# Altium PCB Delay.PcbDoc (part 1 of 2)
Units mm, origin at the board's own origin, x right, y up, seen from the top; angles counter-clockwise.
Board outline 111 x 71.6 mm, 4 copper layers (Top Layer, Mid Layer 1, Mid Layer 2, Bottom Layer), stack 1.57 mm thick; 118 components, 112 nets, 439 pads, 441 vias.
Unrouted connection lines stored in the file: 4.
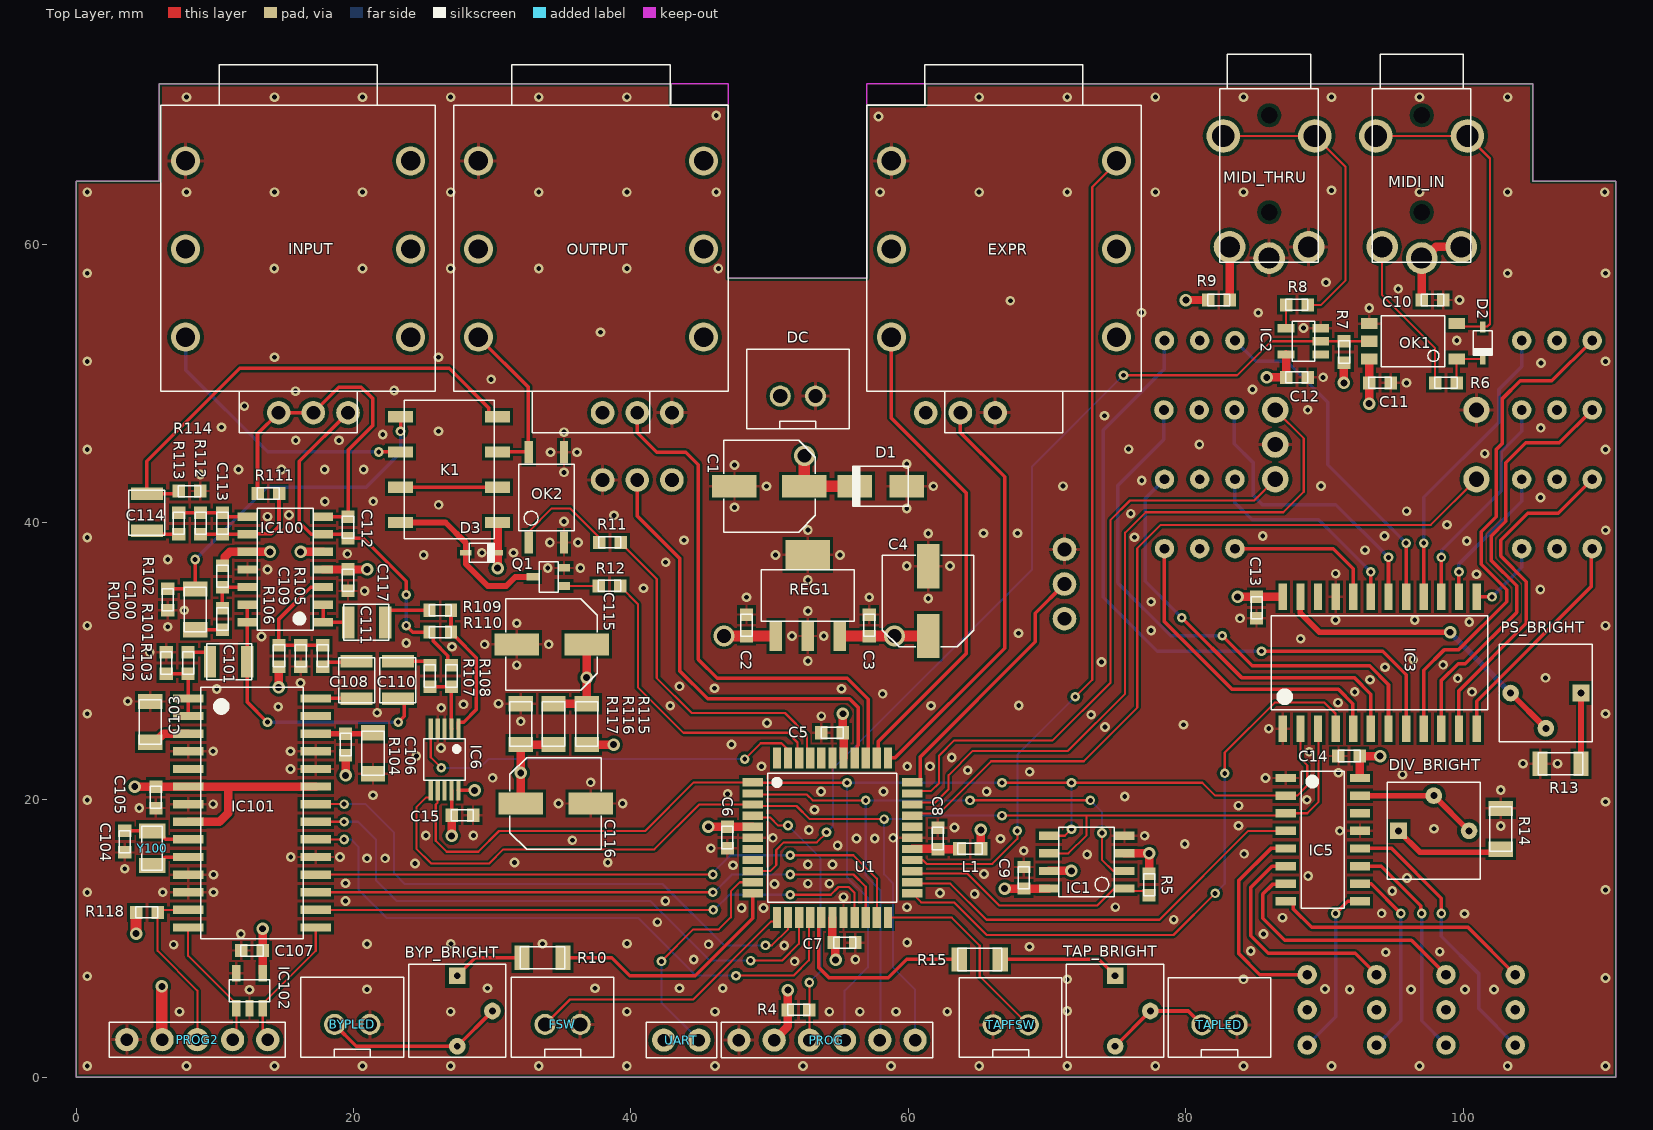
[diagram p0: Top Layer view]
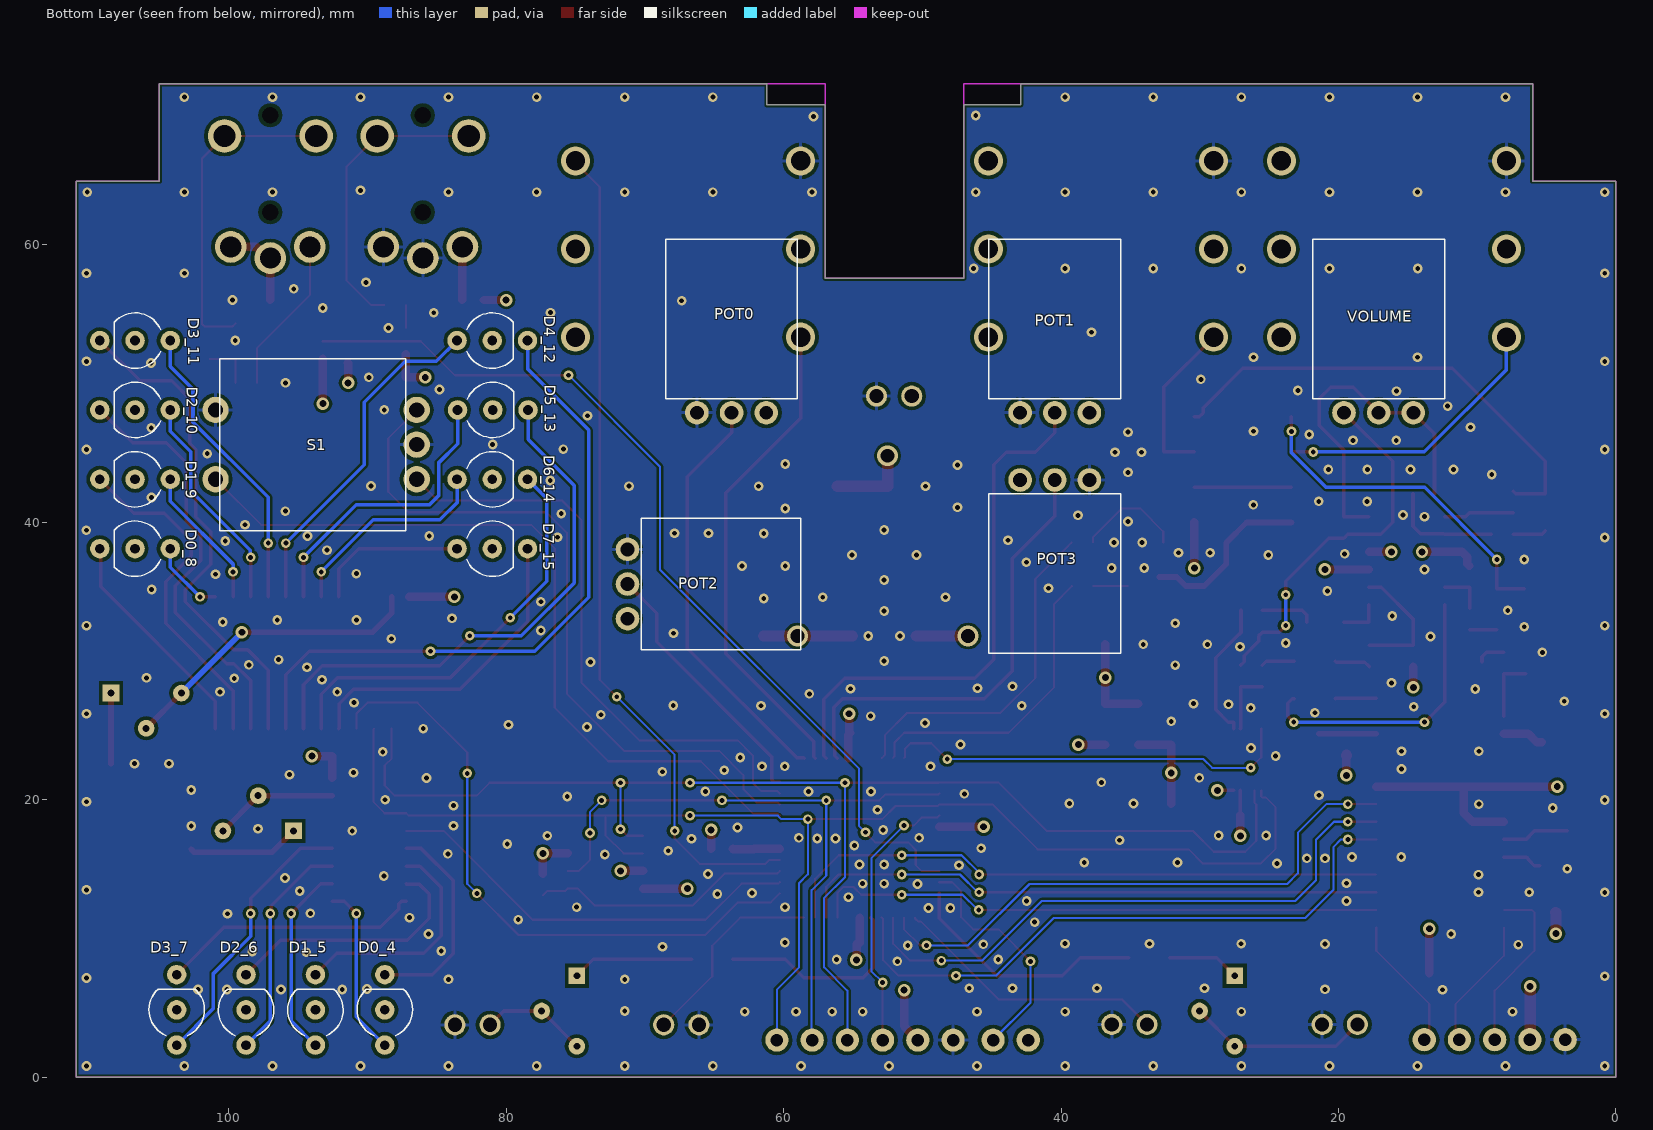
[diagram p1: Bottom Layer view, seen from below]
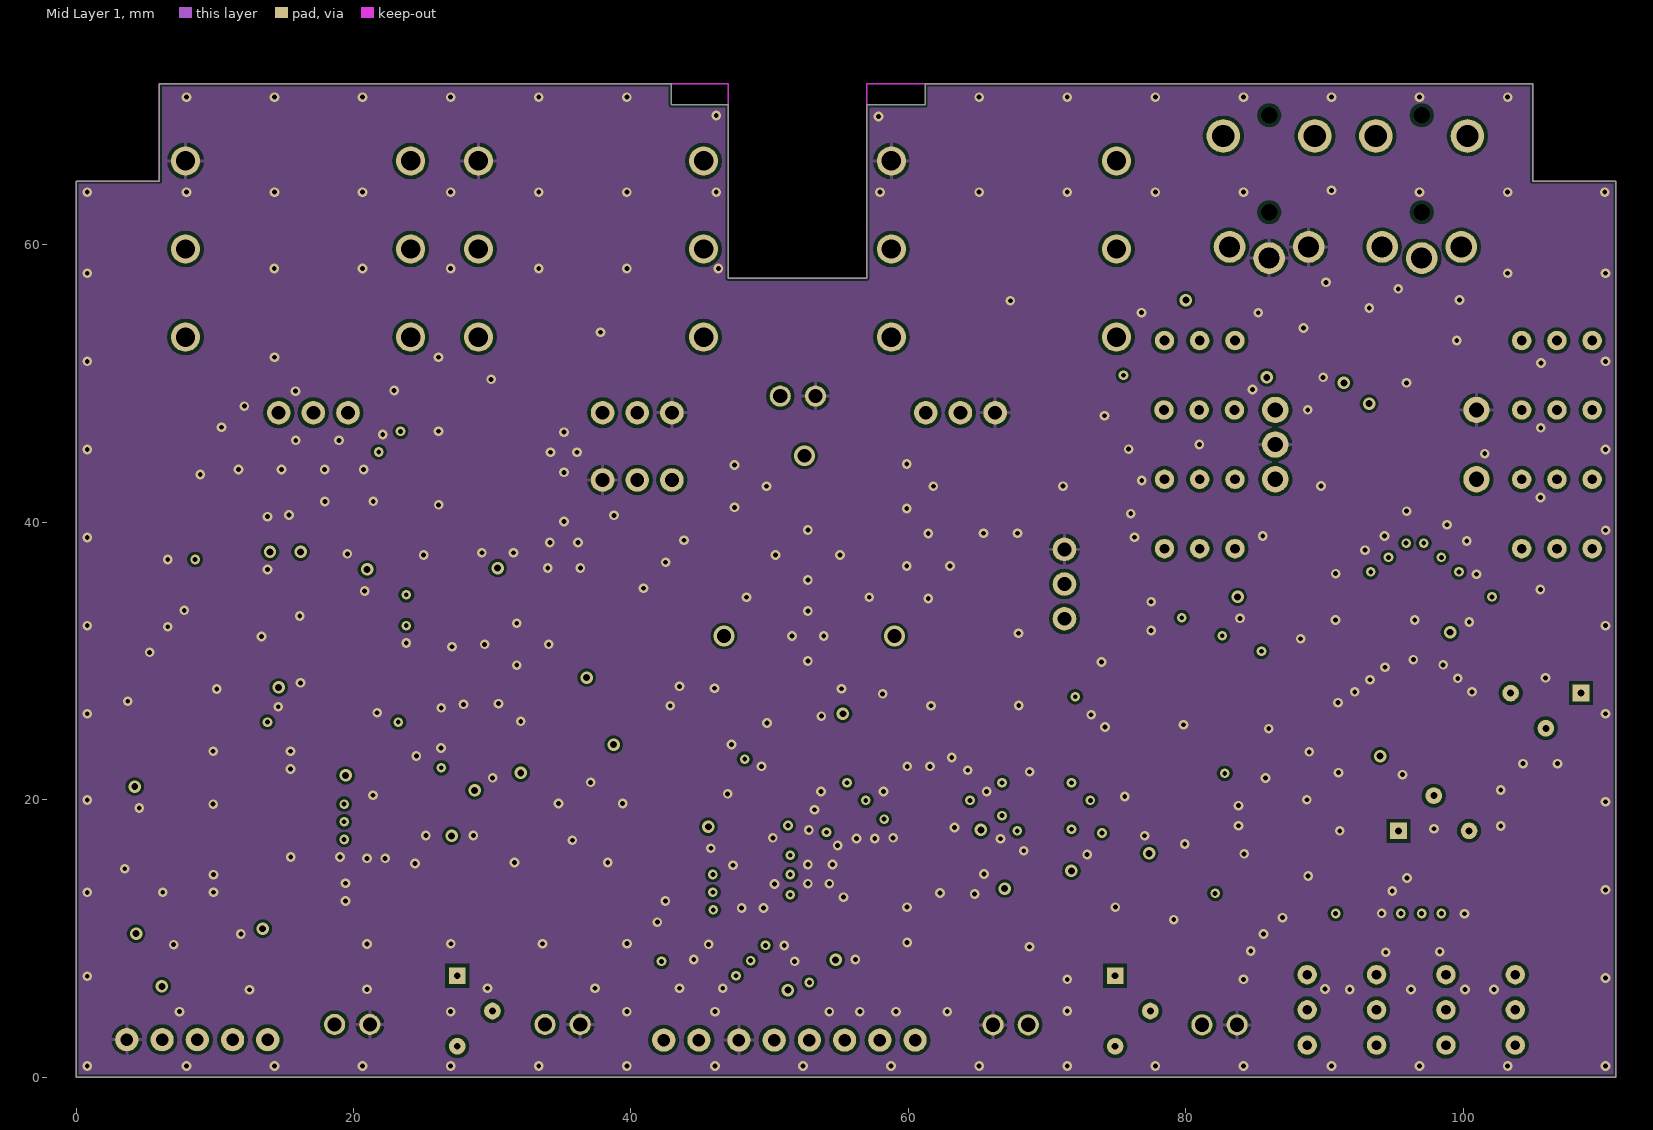
[diagram p2: Mid Layer 1]
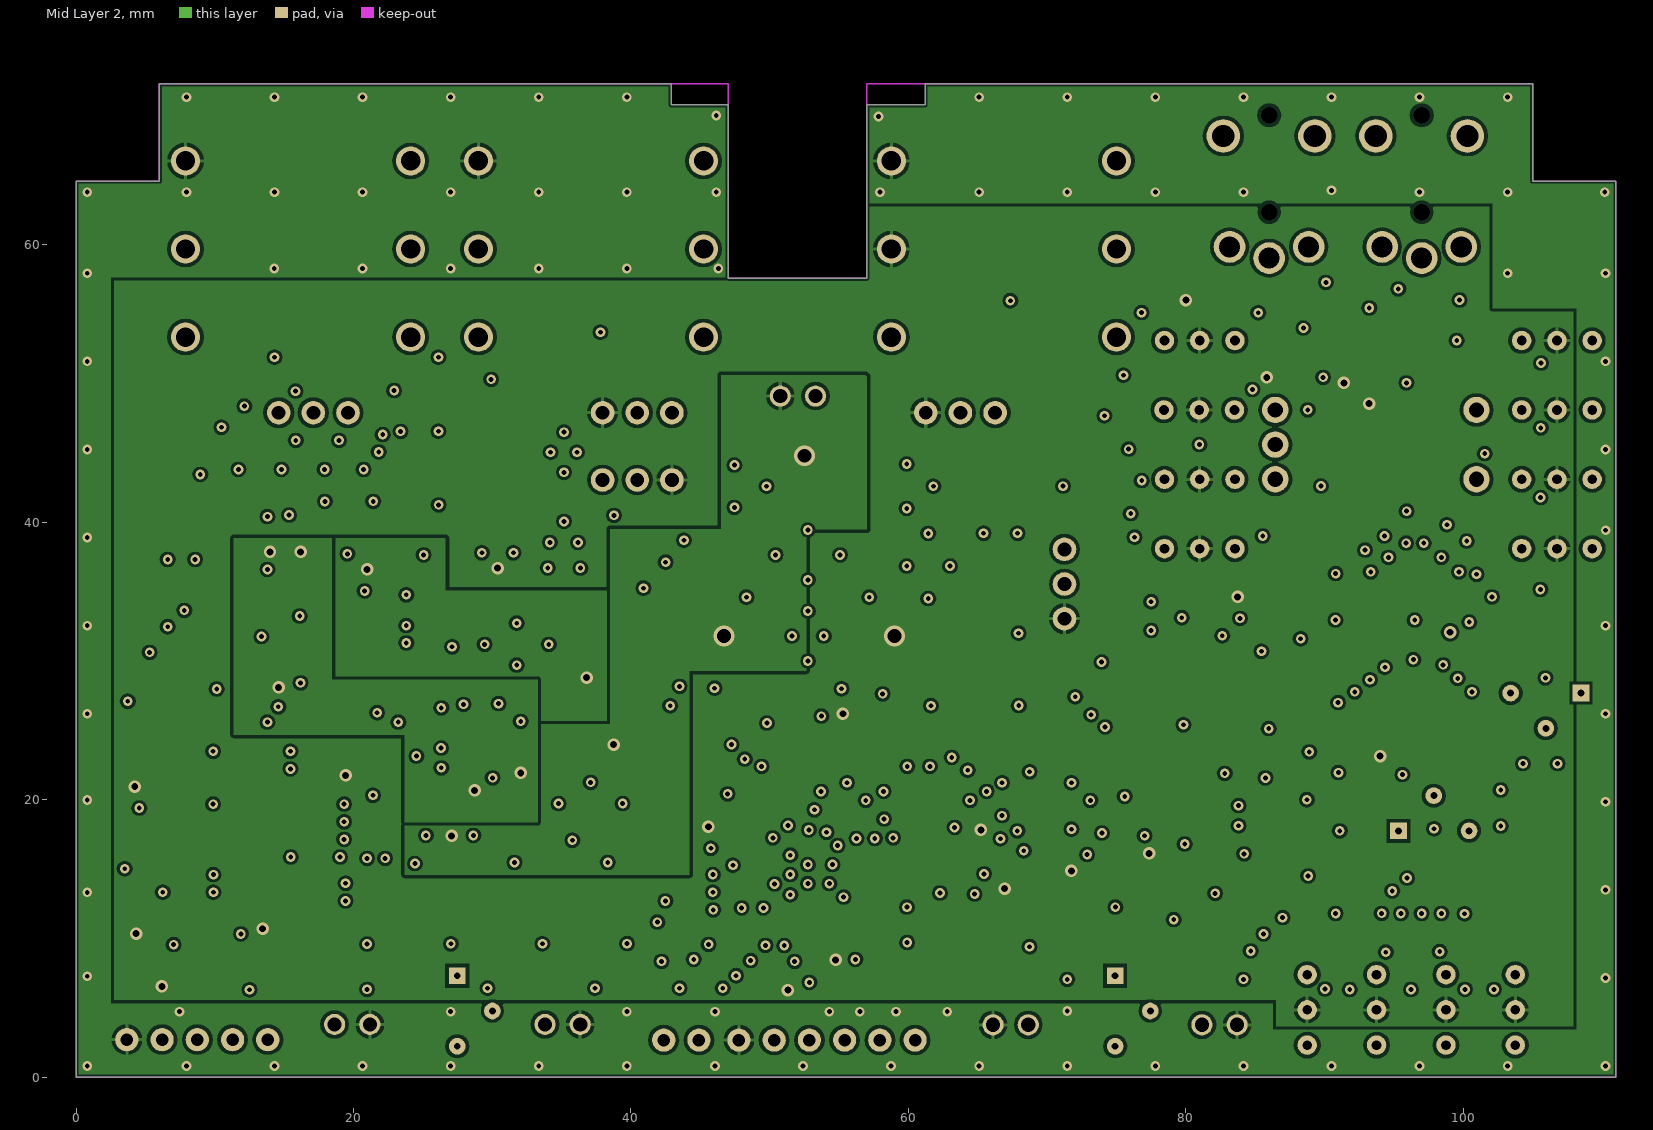
[diagram p3: Mid Layer 2]

## Layer stack, top to bottom
Top Solder: solder mask 0.0127, Solder Resist, Dk 3.8
Top Layer: signal copper 0.035
Dielectric 1: prepreg 0.1, 2313, Dk 4.05
Mid Layer 1: signal copper 0.0175
Core: core 1.265, FR-4, Dk 4.5
Mid Layer 2: signal copper 0.0175
Dielectric 2: prepreg 0.1, 2313, Dk 4.05
Bottom Layer: signal copper 0.035
Bottom Solder: solder mask 0.0127, Solder Resist, Dk 3.8

## Board outline
61.2,71.6 61.2,70.1 56.991,70.1 56.991,57.6 47,57.6 47,70.1 42.9,70.1 42.9,71.6 6,71.6 6,64.6 0,64.6 0,0 111,0 111,64.6 105,64.6 105,71.6

## Design rules (kind name [scope] priority, off if disabled: settings)
BoardOutlineClearance [All] p1: gap=0.2 ignorepadtopadclearanceinfootprint=FALSE
Clearance [All] p1: gap=0.152 ignorepadtopadclearanceinfootprint=FALSE except(0: Arc-Text Track-Text SMDPad-Text THPad-Text Via-Text Fill-Text Poly-Text Region-Text Text-Text; 0.127: Arc-Via Track-Via SMDPad-Via Via-Via; 0.203: SMDPad-Fill SMDPad-Poly SMDPad-Region Via-Fill Via-Poly Via-Region; 0.25: Arc-Hole Track-Hole SMDPad-Hole THPad-Hole Via-Hole Fill-Hole Poly-Hole Region-Hole Text-Hole; 0.254: THPad-Fill THPad-Poly THPad-Region Fill-Fill Fill-Poly Fill-Region Poly-Poly Poly-Region Region-Region)
ComponentClearance [All] p1 off: gap=0.102 collisioncheckmode=3 verticalgap=0.102 showdistances=TRUE
DiffPairsRouting [All] p1: maxlimit=0.102 minlimit=0.102 mostfreqgap=0.102 toplayer_minwidth=0.102 toplayer_maxwidth=1816.048 toplayer_prefwidth=0.102 midlayer1_minwidth=0.102 midlayer1_maxwidth=1816.048 midlayer1_prefwidth=0.102 midlayer2_minwidth=0.102 midlayer2_maxwidth=1816.048 midlayer2_prefwidth=0.102 bottomlayer_minwidth=0.102 bottomlayer_maxwidth=1816.048 bottomlayer_prefwidth=0.102 maxuncoupledlength=12.7
Height [All] p1 off: minheight=0 maxheight=1816.048 prefheight=12.7
HoleSize [All] p1: absolutevalues=TRUE maxlimit=6.3 minlimit=0.2 maxpercent=80.000 minpercent=20.000
HoleToHoleClearance [All] p1: gap=0.25 allowstackedmicrovias=FALSE
MinimumAnnularRing [All] p1: minimumring=0.076
MinimumSolderMaskSliver [All] p1: minsoldermaskwidth=0
PlaneClearance [All] p1: clearance=0.254
PlaneConnect PlaneConnectPowerPads [InPadClass('PowerPads')] p1: planeconnectstyle=Direct reliefexpansion=0.508 reliefentries=4 reliefconductorwidth=0.254 reliefairgap=0.254
PlaneConnect [All] p2: pad.planeconnectstyle=Relief pad.reliefexpansion=0.3 pad.reliefentries=4 pad.reliefconductorwidth=0.254 pad.reliefairgap=0.254 via.planeconnectstyle=Direct via.reliefexpansion=0.3 via.reliefentries=4 via.reliefconductorwidth=0.127 via.reliefairgap=0.127
PolygonConnect PolygonConnectPowerPads [All vs (InPadClass('PowerPads'))] p1: connectstyle=Direct reliefconductorwidth=0.254 reliefentries=4 polygonreliefangle="90 Angle" airgapwidth=0.254
PolygonConnect [All] p2: thpad.connectstyle=Relief thpad.reliefconductorwidth=0.254 thpad.reliefentries=4 thpad.polygonreliefangle="90 Angle" thpad.airgapwidth=0.254 smdpad.connectstyle=Relief smdpad.reliefconductorwidth=0.203 smdpad.reliefentries=4 smdpad.polygonreliefangle="90 Angle" smdpad.airgapwidth=0.203 via.connectstyle=Direct via.reliefconductorwidth=0.127 via.reliefentries=4 via.polygonreliefangle="90 Angle" via.airgapwidth=0.127
RoutingVias [All] p1: holewidth=0.5 width=0.9 viastyle="Through Hole" minholewidth=0.35 minwidth=0.7 maxholewidth=1 maxwidth=1.5
SilkToSilkClearance [All] p1: silktosilkclearance=0
SilkToSolderMaskClearance [IsPad] p1 off: minsilkscreentomaskgap=0.102 clearancetoexposedcopper=TRUE
SolderMaskExpansion [All] p1: expansion=0.075 istentingtop=FALSE
Width [All] p1: maxlimit=0.813 minlimit=0.152 preferedwidth=0.254
20 further rules are at their usual default settings.

## Components (designator, comment, footprint, x,y, rotation, side; value= is the part's Value field where it differs from the comment)
BYP_BRIGHT "10kB" BOURNS_3362P 27.473,4.775 r270 top
BYPLED "" JST-XH-02 19.9,3.8 r0 top
C1 "100u" CAPAE_D 49.979,42.6 r180 top
C2 "100n" CHIP_0603 48.325,32.575 r90 top
C3 "100n" CHIP_0603 57.175,32.575 r90 top
C4 "100u" CAPAE_D 61.425,34.321 r90 top
C5 "100n" CHIP_0603 54.5,24.825 r180 top
C6 "100n" CHIP_0603 46.95,17.275 r270 top
C7 "100n" CHIP_0603 55.4,9.7 r0 top
C8 "100n" CHIP_0603 62.125,17.2 r90 top
C9 "100n" CHIP_0603 68.325,14.375 r270 top
C10 "100n" CHIP_0603 97.775,56.025 r0 top
C11 "100n" CHIP_0603 94,50.05 r0 top
C12 "100n" CHIP_0603 88,50.45 r180 top
C13 "100n" CHIP_0603 85.1,33.85 r270 top
C14 "100n" CHIP_0603 91.775,23.15 r180 top
C15 "100n" CHIP_0603 27.838,18.885 r0 top
C100 "100n" CHIP_1206 8.578,33.725 r90 top
C101 "1u" CHIP_1210 11,29.95 r0 top
C102 "2.2n" CHIP_0603 6.5,29.85 r90 top
C103 "10u" CHIP_1206 5.35,25.61 r270 top
C104 "15p" CHIP_0603 3.5,16.975 r270 top
C105 "100n" CHIP_0603 5.75,20.175 r270 top
C106 "10u" CHIP_1206 21.4,23.35 r270 top
C107 "100n" CHIP_0603 12.674,9.125 r180 top
C108 "1u" CHIP_1210 20.225,28.635 r270 top
C109 "2.2n" CHIP_0603 16.198,30.375 r270 top
C110 "1u" CHIP_1210 23.2,28.635 r270 top
C111 "1u" CHIP_1210 20.95,32.79 r180 top
C112 "220p" CHIP_0603 19.6,39.635 r270 top
C113 "470p" CHIP_0603 10.55,39.925 r270 top
C114 "1u" CHIP_1210 5.1,40.725 r270 top
C115 "100u" CAPAE_D 34.282,31.2 r180 top
C116 "47u" CAPAE_D 34.571,19.725 r0 top
C117 "100n" CHIP_0603 19.6,35.825 r270 top
D0_4 "LED" LED_3MM_BICOLOR 88.75,4.85 r90 bottom
D0_8 "LED" LED_3MM_BICOLOR 106.75,38.1 r0 bottom
D1 "S1A" DO214 58,42.6 r0 top
D1_5 "LED" LED_3MM_BICOLOR 93.75,4.85 r90 bottom
D1_9 "LED" LED_3MM_BICOLOR 106.75,43.1 r0 bottom
D2 "1N4148WS" SOD323 101.4,52.925 r90 top
D2_6 "LED" LED_3MM_BICOLOR 98.75,4.85 r90 bottom
D2_10 "LED" LED_3MM_BICOLOR 106.75,48.1 r0 bottom
D3 "1N4148WS" SOD323 29.236,37.8 r180 top
D3_7 "LED" LED_3MM_BICOLOR 103.75,4.85 r90 bottom
D3_11 "LED" LED_3MM_BICOLOR 106.75,53.1 r0 bottom
D4_12 "LED" LED_3MM_BICOLOR 81,53.1 r180 bottom
D5_13 "LED" LED_3MM_BICOLOR 80.96,48.1 r180 bottom
D6_14 "LED" LED_3MM_BICOLOR 81,43.1 r180 bottom
D7_15 "LED" LED_3MM_BICOLOR 81,38.1 r180 bottom
DC "J_JST-XH-02" JST-XH-02 52.03,49.1 r0 top
DIV_BRIGHT "10kB" BOURNS_3362P 97.869,17.755 r0 top
EXPR "J_STEREO" STEREO 66.885,59.7 r90 top
FSW "" JST-XH-02 35.07,3.8 r0 top
IC1 "M95256" SO-8 72.85,15.5 r180 top
IC2 "SN74LVC1G17" SOT-23-5 88.475,53.05 r180 top
IC3 "STP16CPC26" SO-24 93.975,29.875 r90 top
IC5 "STP08CP05" SO-16 89.875,17.12 r0 top
IC6 "AD5290" MSOP-10 26.565,22.919 r270 top
IC100 "TL074" SO-14 15.075,36.6 r180 top
IC101 "FV-1" SO-28 12.84,19.568 r0 top
IC102 "24LC32A" SOT-23-5 12.499,6.229 r90 top
INPUT "J_STEREO" STEREO 16,59.7 r90 top
K1 "G6K" G6K 27,43.8 r180 top
L1 "10uH" INDC1608X10 64.437,16.475 r0 top
MIDI_IN "J_STEREO_3.5" STEREO_3.5 97,65.45 r0 top
MIDI_THRU "J_STEREO_3.5" STEREO_3.5 86,65.45 r0 top
OK1 "TLP2361" TLP2361 96.375,53.05 r180 top
OK2 "TLP175A" TLP175A 33.9,41.8 r90 top
OUTPUT "J_STEREO" STEREO 37.115,59.7 r90 top
POT0 "10kB" ALPHA_9MM_TOP_NOMH 68.5,48.9 r180 bottom
POT1 "10kB" ALPHA_9MM_TOP_NOMH 45.2,48.9 r180 bottom
POT2 "10kB" ALPHA_9MM_TOP_NOMH 70.25,40.3 r270 bottom
POT3 "10kB" ALPHA_9MM_TOP_NOMH 35.7,42.05 r0 bottom
PROG "J_HEADER_6PINS_FEM" HEADER_6Pins_FEM 54.13,2.675 r180 top
PROG2 "J_HEADER_5PINS_FEM" HEADER_5Pins_FEM 4.925,2.7 r0 top
PS_BRIGHT "10kB" BOURNS_3362P 105.956,27.69 r180 top
Q1 "MBT2222A" SOT323 34.045,36.062 r180 top
R4 "10k" CHIP_R_0603 52.085,4.85 r180 top
R5 "100k" CHIP_R_0603 77.35,13.875 r90 top
R6 "220R" CHIP_R_0603 98.75,50.05 r0 top
R7 "1k" CHIP_R_0603 91.41,52.275 r90 top
R8 "10R" CHIP_R_0603 88,55.675 r0 top
R9 "33R" CHIP_R_0603 82.375,56.025 r180 top
R10 "100R" CHIP_R_1206 33.625,8.6 r180 top
R11 "680R" CHIP_R_0603 38.475,38.55 r180 top
R12 "3.6k" CHIP_R_0603 38.45,35.412 r180 top
R13 "100R" CHIP_R_1206 107.015,22.6 r0 top
R14 "100R" CHIP_R_1206 102.7,17.9 r270 top
R15 "100R" CHIP_R_1206 65.14,8.488 r0 top
R100 "2.2M" CHIP_R_0603 6.6,34.425 r90 top
R101 "1k" CHIP_R_0603 10.55,33.025 r90 top
R102 "2.2M" CHIP_R_0603 10.55,36.105 r90 top
R103 "1k" CHIP_R_0603 8.075,29.85 r270 top
R104 "100R" CHIP_R_0603 19.425,23.985 r270 top
R105 "1k" CHIP_R_0603 17.773,30.375 r90 top
R106 "1M" CHIP_R_0603 14.623,30.375 r270 top
R107 "15k" CHIP_R_0603 25.499,28.92 r270 top
R108 "15k" CHIP_R_0603 27.059,28.92 r90 top
R109 "15k" CHIP_R_0603 26.249,33.66 r0 top
R110 "15k" CHIP_R_0603 26.249,32.085 r180 top
R111 "15k" CHIP_R_0603 13.85,42.075 r0 top
R112 "15k" CHIP_R_0603 8.975,39.925 r90 top
R113 "100R" CHIP_R_0603 7.4,39.925 r270 top
R114 "100k" CHIP_R_0603 8.175,42.25 r180 top
R115 "47R" CHIP_R_1206 36.804,25.45 r90 top
R116 "47k" CHIP_R_1206 34.42,25.45 r270 top
R117 "47k" CHIP_R_1206 32.05,25.45 r270 top
R118 "22k" CHIP_R_0603 5.1,11.875 r180 top
REG1 "78M33" SOT223 52.75,34.725 r90 top
S1 "EC11" ALPHA_EC11 93.95,45.6 r90 bottom
TAP_BRIGHT "10kB" BOURNS_3362P 74.9,4.775 r270 top
TAPFSW "" JST-XH-02 67.37,3.775 r0 top
TAPLED "" JST-XH-02 82.425,3.775 r0 top
U1 "ATMEGA1284" TQFP44 54.525,17.25 r0 top
UART "J_HEADER_2PINS_FEM" HEADER_2Pins_FEM 43.63,2.675 r0 top
VOLUME "100kB" ALPHA_9MM_TOP_NOMH 21.85,48.9 r180 bottom
Y100 "ABS07" ABS-07 5.475,16.5 r270 top

## Footprints (in the part's own frame and the unit in brackets; to place one, negate y for a bottom-side part, rotate by r counter-clockwise, add the part's x,y. Pads: shape width x height; smd on the part's side, far side on the other; paste and mask are expansions set on the pad)
ABS-07 [mm]
  rect 1.1x1.9 smd: 1(-1.25,0) 2(1.25,0)
  silkscreen extent -1.58,-0.75 1.6,0.75, body extent -1.61,-0.76 1.61,0.76, height 0.91
ALPHA_9MM_TOP_NOMH [mm]
  round 1.7 hole 1: 1(2.25,-1) 2(4.75,-1) 3(7.25,-1)
  silkscreen extent 0,0 9.5,11.5, body extent -1.02,-0.99 10.51,11.36, height 30.04
ALPHA_EC11 [mm]
  round 1.9 hole 1.1: 1(-2.5,-7.5) 2(0,-7.5) 3(2.5,-7.5) 4(-2.5,7) 5(2.5,7)
  silkscreen extent -6.2,-6.7 6.2,6.7, body extent -6.55,-7.73 6.55,7.4, height 31.6
BOURNS_3362P [mm]
  rect 1.2x1.2 hole 0.5: 1(-2.534,0)
  round 1.2 hole 0.5: 2(0.006,2.54) 3(2.546,0)
  silkscreen extent -3.35,-3.51 3.35,3.49, body extent -3.35,-3.53 3.35,3.51, height 4.88
CAPAE_D [mm] "Aluminum Electrolytic Capacitor, Body 6.60x6.60x5.40mm, IPC Low Density"
  rect 3.2x1.6 smd: +(-2.521,0) -(2.521,0)
  silkscreen extent -3.3,-3.3 3.3,3.3, body extent -3.53,-3.3 3.47,3.3, height 5.41
CHIP_0603 [mm] "Chip Capacitor, 2-Leads, Body 1.60x0.80mm, IPC Medium Density"
  rect 0.9x0.95 smd: 1(-0.775,0) 2(0.775,0)
  silkscreen extent -0.8,-0.4 0.8,0.4, body extent -0.75,-0.4 0.75,0.4, height 0.65
CHIP_1206 [mm] "Chip Capacitor, 2-Leads, Body 3.20x1.60mm, IPC Medium Density"
  rect 1.1x1.75 smd: 1(-1.475,0) 2(1.475,0)
  silkscreen extent -1.6,-0.8 1.6,0.8, body extent -1.6,-0.8 1.6,0.8, height 1.05
CHIP_1210 [mm] "Chip Capacitor, 2-Leads, Body 3.20x2.50mm, IPC Medium Density"
  rect 0.9x2.3 smd: 1(-1.35,0) 2(1.35,0)
  silkscreen extent -1.6,-1.3 1.65,1.3, body extent -1.68,-1.35 1.73,1.35, height 1
CHIP_R_0603 [mm] "Chip Resistor, 2-Leads, Body 1.60x0.80mm, IPC Medium Density"
  rect 0.9x0.95 smd: 1(-0.775,0) 2(0.775,0)
  silkscreen extent -0.8,-0.4 0.8,0.4, body extent -0.75,-0.4 0.75,0.4, height 0.63
CHIP_R_1206 [mm] "Chip Resistor 2-Leads, Body 3.20x1.60mm, IPC Medium Density"
  rect 1.1x1.75 smd: 1(-1.475,0) 2(1.475,0)
  silkscreen extent -1.6,-0.8 1.6,0.8, body extent -1.65,-0.8 1.65,0.8, height 0.76
DO214 [mm] "Molded Diode, 2-Leads, Body 4.30x2.63mm, IPC Medium Density"
  rect 2.5x1.65 smd: 1(-1.875,0) 2(1.875,0)
  silkscreen extent -2,-1.45 2,1.45, body extent -2.6,-1.3 2.6,1.3, height 2.4
G6K [mm]
  rect 1.8x0.8 smd: 1(-3.386,3.81) 2(-3.386,1.27) 3(-3.386,-1.27) 4(-3.386,-3.81) 5(3.614,-3.81) 6(3.614,-1.27) 7(3.614,1.27) 8(3.614,3.81)
  silkscreen extent -3.15,-5 3.35,5, body extent -3.8,-5 4,5, height 5.2
HEADER_2Pins_FEM [mil]
  round 66 hole 35.43: 1(50,0) 2(-50,0)
  silkscreen extent -100,-50 100,50, body extent -100,-50 100,50, height 237
HEADER_5Pins_FEM [mil]
  round 66 hole 35.43: 1(-50,0) 2(50,0) 3(150,0) 4(250,0) 5(350,0)
  silkscreen extent -100,-50 400,50, body extent -100,-50 400,50, height 237
HEADER_6Pins_FEM [mil]
  round 66 hole 35.43: 1(-250,0) 2(-150,0) 3(-50,0) 4(50,0) 5(150,0) 6(250,0)
  silkscreen extent -300,-50 300,50, body extent -300,-50 300,50, height 237
INDC1608X10 [mm] "Chip Inductor, 2-Leads, Body 1.60x0.80mm, IPC Medium Density"
  rect 0.92x0.98 smd: 1(-0.762,0) 2(0.79,0)
  silkscreen extent -0.87,-0.4 0.9,0.38, body extent -0.77,-0.4 0.83,0.4, height 1
JST-XH-02 [mil]
  round 60 hole 40: 1(-50,0) 2(50,0)
  silkscreen extent -146,-93 146,134, body extent -146,-95 146,131, height 276
LED_3MM_BICOLOR [mm]
  round 1.4 hole 0.7: 1(2.54,0) 2(0,0) 3(-2.54,0)
  silkscreen extent -1.85,-2 1.5,2, body extent -2.89,-2 2.89,1.7, height 13.5
MSOP-10 [mm]
  rect 1.45x0.3 smd paste-0.05: 1(-2.206,0.999) 2(-2.206,0.499) 3(-2.206,-0.001) 4(-2.206,-0.501) 5(-2.206,-1.001) 6(2.244,-1.001) 7(2.244,-0.501) 8(2.244,-0.001) 9(2.244,0.499) 10(2.244,0.999)
  silkscreen extent -1.48,-1.5 1.52,1.5, body extent -2.51,-1.5 2.51,1.5, height 1
SO-8 [mm] "SOIC, 8-Leads, Body 4.90x3.90mm, Pitch 1.27mm, IPC Medium Density"
  rect 1.45x0.6 smd: 1(-2.725,1.905) 2(-2.725,0.635) 3(-2.725,-0.635) 4(-2.725,-1.905) 5(2.725,-1.905) 6(2.725,-0.635) 7(2.725,0.635) 8(2.725,1.905)
  silkscreen extent -2,-2.5 2,2.5, body extent -3.02,-2.45 2.98,2.45, height 1.75
SO-14 [mm] "SOIC, 14-Leads, Body 8.65x3.90mm, Pitch 1.27mm, IPC Medium Density"
  rect 1.45x0.6 smd: 1(-2.725,3.81) 2(-2.725,2.54) 3(-2.725,1.27) 4(-2.725,0) 5(-2.725,-1.27) 6(-2.725,-2.54) 7(-2.725,-3.81) 8(2.725,-3.81) 9(2.725,-2.54) 10(2.725,-1.27) 11(2.725,0) 12(2.725,1.27) 13(2.725,2.54) 14(2.725,3.81)
  silkscreen extent -2.03,-4.4 2.03,4.4, body extent -3,-4.34 3,4.35, height 1.6
SO-16 [mm] "SOIC, 16-Leads, Body 9.85x3.85mm, Pitch 1.27mm, IPC Medium Density"
  rect 1.45x0.6 smd: 1(-2.675,4.445) 2(-2.675,3.175) 3(-2.675,1.905) 4(-2.675,0.635) 5(-2.675,-0.635) 6(-2.675,-1.905) 7(-2.675,-3.175) 8(-2.675,-4.445) 9(2.675,-4.445) 10(2.675,-3.175) 11(2.675,-1.905) 12(2.675,-0.635) 13(2.675,0.635) 14(2.675,1.905) 15(2.675,3.175) 16(2.675,4.445)
  silkscreen extent -1.55,-4.95 1.55,4.95, body extent -3.07,-4.98 3.07,4.99, height 1.73
SO-24 [mm] "SOIC, 24-Leads, Body 15.40x7.50mm, Pitch 1.27mm, IPC Medium Density"
  rect 1.9x0.6 smd: 1(-4.75,6.985) 2(-4.75,5.715) 3(-4.75,4.445) 4(-4.75,3.175) 5(-4.75,1.905) 6(-4.75,0.635) 7(-4.75,-0.635) 8(-4.75,-1.905) 9(-4.75,-3.175) 10(-4.75,-4.445) 11(-4.75,-5.715) 12(-4.75,-6.985) 13(4.75,-6.985) 14(4.75,-5.715) 15(4.75,-4.445) 16(4.75,-3.175) 17(4.75,-1.905) 18(4.75,-0.635) 19(4.75,0.635) 20(4.75,1.905) 21(4.75,3.175) 22(4.75,4.445) 23(4.75,5.715) 24(4.75,6.985)
  silkscreen extent -3.4,-7.8 3.4,7.8, body extent -5.2,-7.83 5.2,7.57, height 2.6
SO-28 [mm]
  rect 2.2x0.6 smd: 1(-4.765,7.732) 2(-4.765,6.462) 3(-4.765,5.192) 4(-4.765,3.922) 5(-4.765,2.652) 6(-4.765,1.382) 7(-4.765,0.112) 8(-4.765,-1.158) 9(-4.765,-2.428) 10(-4.765,-3.698) 11(-4.765,-4.968) 12(-4.765,-6.238) 13(-4.765,-7.508) 14(-4.765,-8.778) 15(4.435,-8.778) 16(4.435,-7.508) 17(4.435,-6.238) 18(4.435,-4.968) 19(4.435,-3.698) 20(4.435,-2.428) 21(4.435,-1.158) 22(4.435,0.112) 23(4.435,1.382) 24(4.435,2.652) 25(4.435,3.922) 26(4.435,5.192) 27(4.435,6.462) 28(4.435,7.732)
  silkscreen extent -3.86,-9.57 3.54,8.53, body extent -5.38,-9.46 4.92,8.44, height 2.65
SOD323 [mm] "SODFL, 2-Leads, Body 1.25x2.50mm, IPC Medium Density"
  rect 0.8x0.4 smd: 1(-1.15,0) 2(1.15,0)
  silkscreen extent -0.9,-0.68 0.9,0.67, body extent -1.4,-0.68 1.3,0.67, height 0.79
SOT223 [mm] "SOT223, 4-Leads, Body 6.50x7.00mm (avg), Pitch 2.30mm, IPC Medium Density"
  rect 2.15x0.9 smd: 1(-2.925,2.3) 2(-2.925,0) 3(-2.925,-2.3)
  rect 2.15x3.2 smd: 2(2.925,0)
  silkscreen extent -1.85,-3.35 1.85,3.35, body extent -3.5,-3.25 3.5,3.25, height 1.59
SOT323 [mm] "SOT23, 3-Leads, Body 2.00x2.20mm, Pitch 0.65mm, IPC Medium Density"
  rect 0.9x0.55 smd: 1(-1.125,0.65) 2(-1.125,-0.65) 3(1.125,0)
  silkscreen extent -0.7,-1.1 0.67,1.1, body extent -1.15,-1.05 1.15,1.05, height 1
SOT-23-5 [mm]
  rect 1.2x0.6 smd: 1(-1.25,0.95) 2(-1.25,0) 3(-1.25,-0.95) 4(1.25,-0.95) 5(1.25,0.95)
  silkscreen extent -0.8,-1.45 0.8,1.45, body extent -1.4,-1.45 1.4,1.45, height 1.45